# Altium PCB flexi_ethernet_w5500_solo.pcbdoc (part 7 of 7)
Units mm, origin at the board's own origin, x right, y up, seen from the top; angles counter-clockwise.
Board outline 85 x 20.49 mm, 4 copper layers (Top Layer, GND, PWR, Bottom Layer), stack 1.541 mm thick; 61 components, 41 nets, 7605 pads, 85 vias.
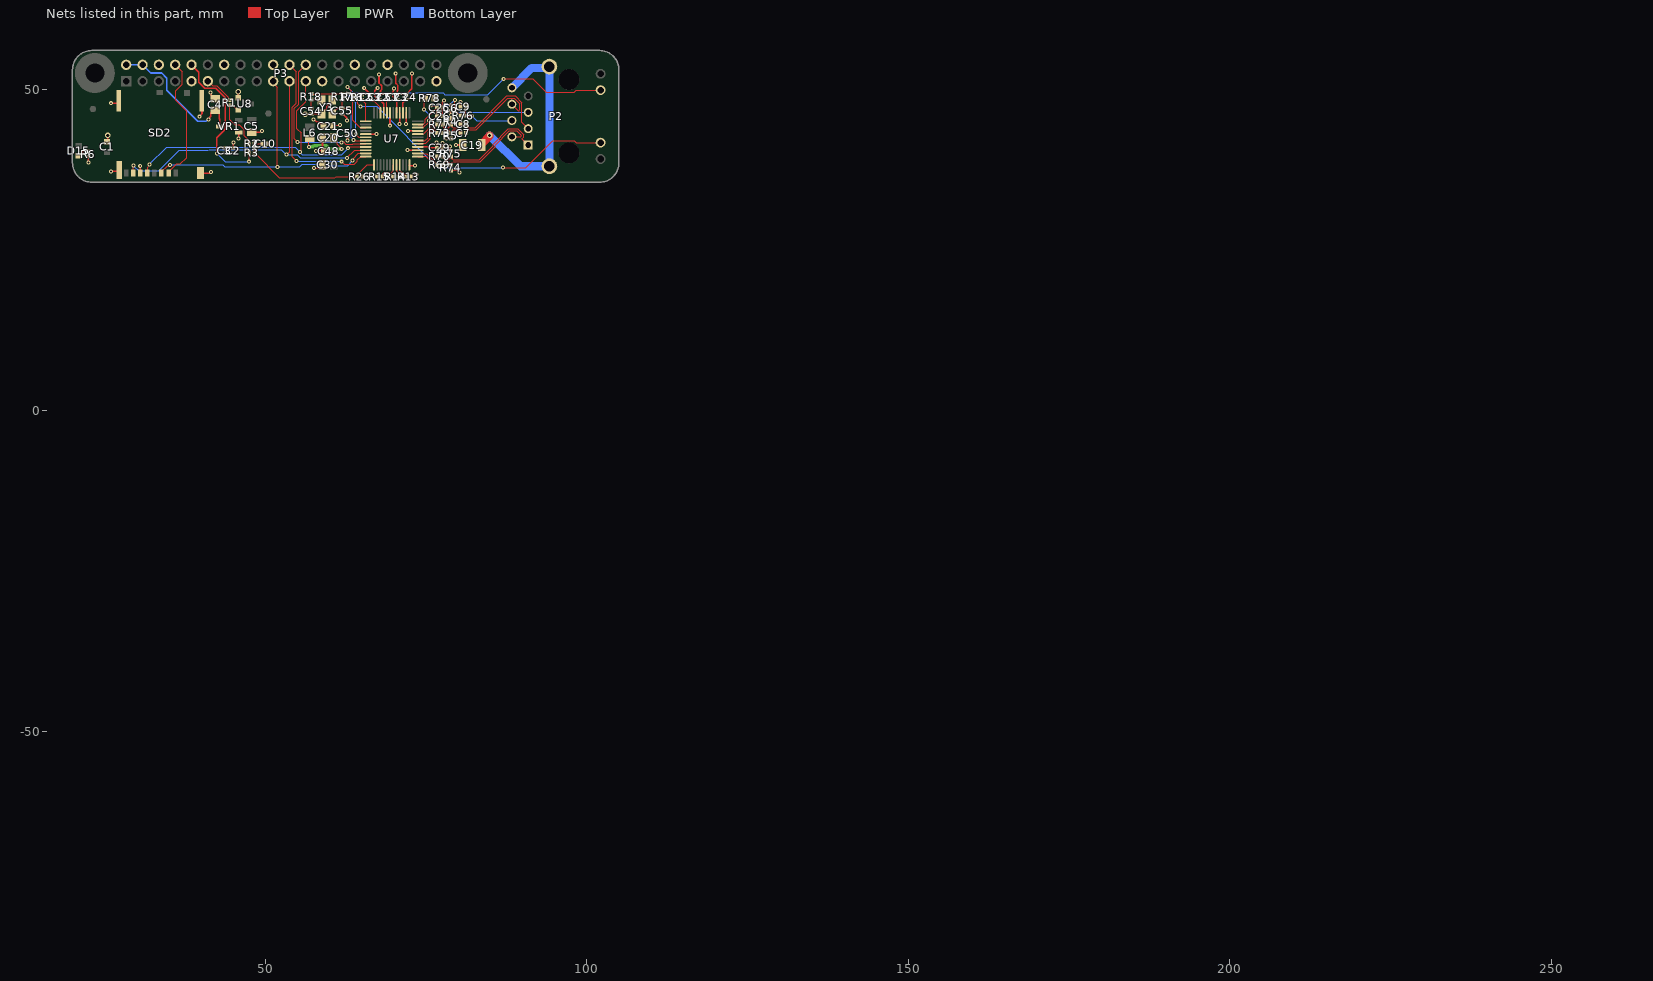
[diagram p9: the nets of this part, all layers, seen from the top]

## Via types
v1: diameter 0.625, hole 0.3, Top Layer to Bottom Layer, tented both sides, 79 vias
v2: diameter 0.85, hole 0.5, Top Layer to Bottom Layer, tented both sides, 5 vias
v3: diameter 0.625, hole 0.3, Top Layer to Bottom Layer, 1 vias

## Nets (pads, with @x,y where several pads share a name; then routed paths per layer and width w, separated by ;. In a path a pad name is that pad's centre, name@x,y a point inside that pad or via, vN(x,y) a via of type N, cw(c..) or ccw(c..) an arc to the next point about the centre after c; other vN are vias at no path point) (continued)
+3.3V_A: C20.2 C21.2 C22.2 C23.2 C24.2 C25.2 C26.2 C29.2 L6.2 R13.1 R14.1 R15.1 R26.1 R74.1 R75.1 R76.1 U7.4 U7.8 U7.11 U7.15 U7.17 U7.21 | length 51
  Top Layer w0.152: v1(56.8,41) 56.8,42.21 L6.2@56.9,42.31 ; C21.2@60.57,44.2 60.77,44.4 v1(61.6,44.4) ; C20.2@60.69,42.425 61.194,41.921 61.194,41.406 v1(61.9,40.7) ; R26.1@65.125,36.4 65.225,36.5 67.275,36.5 R15.1@67.375,36.4 ; v1(69.2,36.4) R14.1@69.85,36.4 ; R13.1@72.75,36.4 73.192,36.4 73.492,36.7 v1(73.5,36.7) ; U7.8@73.725,43 74.52,43 74.6,43.081 74.659,43.081 76.092,44.514 76.092,45.16 76.711,45.779 C25.2@76.711,47.1 ; U7.11@73.8,44.419 74.497,44.419 74.908,44.83 74.908,45.345 75.674,46.111 75.721,46.111 C25.2@76.711,47.1 ; v1(75.693,47.48) 75.821,47.48 75.927,47.374 76.487,47.374 76.711,47.15 C25.2@76.711,47.1 ; R74.1@78.875,37.35 79.785,37.35 80.135,37 v3(80.2,37) ; v1(79.492,48.319) 79.492,46.796 80.375,45.913 R76.1@80.375,45.888
  Top Layer w0.203: v1(67.5,50.2) 67.021,49.721 67.021,48.878 67.371,48.528 67.577,48.528 C22.2@67.775,48.33 67.8,48.33 68.425,47.705 U7.21@68.425,46.3 ; v1(70,50.1) 69.919,50.019 69.919,49.613 69.8,49.494 69.8,48.866 70.138,48.528 70.343,48.528 C23.2@70.542,48.33 70.425,48.213 U7.17@70.425,46.3 ; U7.15@71.425,46.3 71.425,47.855 71.9,48.33 C24.2@71.925,48.33 72.123,48.528 72.514,48.528 72.786,48.8 v1(72.9,48.8) ; U7.4@73.725,41 75.432,41 75.59,40.842 C29.2@76.7,40.842 76.672,40.869 76.672,41.692 v1(76.645,41.719) ; v1(78.76,41.091) 78.76,40.465 R75.1@78.875,40.35
  PWR w0.508: v1(56.8,41) 56.822,41.022 57.434,41.022 57.581,41.17 59.49,41.17 59.96,40.7 v1(61.9,40.7)
  Bottom Layer w0.152: v1(75.693,47.48) 78.653,47.48 v1(79.492,48.319)
  other v1: 66.4,36.5
+5V: C4.2 P3.2 P3.4 VR1.3 | length 22.5
  Top Layer w0.203: v1(41.2,45.3) 41.2,45.414 41.567,45.781 41.567,46.232 42.045,46.71 42.355,46.71 42.833,46.232 42.833,45.373 42.925,45.282 VR1.3@42.925,44.2
  Bottom Layer w0.254: P3.2@28.379,53.77 P3.4@30.919,53.77 32.189,52.5 33.9,52.5 34.7,51.7 34.7,49.8 39.5,45 40.786,45 40.907,45.121 40.92,45.121 41.1,45.3 v1(41.2,45.3)
GND: C1.1 C2.1 C3.1 C4.1 C5.1 C6.1 C9.1 C10.1 C19.1 C20.1 C21.1 C22.1 C23.1 C24.1 C25.1 C26.1 C29.1 C30.1 C48.1 C50.1 C51.1 C53.1 C54.1 C55.1 P3.6 P3.9 P3.14 P3.20 P3.25 P3.30 P3.34 P3.39 R6.1 R78.1 SD2.6 SD2.11 SD2.12 SD2.13 SD2.14 U7.3 U7.9 U7.14 U7.16 U7.19 U7.29 U7.48 U8.1 VR1.1 Y3.2 Y3.4 | length 61.5
  Top Layer w0.254: v1(22.5,38.6) R6.1@22.5,39.475 ; C1.1@25.4,41.77 25.5,41.87 v2(25.5,42.8) ; v1(26,37.2) 27.06,37.2 SD2.11@27.28,37.42 ; v1(26,47.8) 26.977,47.8 27.2,48.023 SD2.12@27.2,48.2 ; SD2.6@30.56,36.92 v1(30.56,38.04) ; v1(39.8,45.7) 39.8,45.8 40.16,46.16 SD2.13@40.16,48.2 ; SD2.14@39.94,36.935 41.335,36.935 41.5,37.1 v1(41.6,37.1) ; v1(41.5,49.5) 41.5,49.4 41.592,49.308 41.592,48.943 42.045,48.49 C4.1@42.2,48.49 ; C2.1@45,40.865 45.05,40.915 45.05,41.65 v1(45.1,41.7) ; U8.1@45.8,48.65 v2(45.8,49.6) ; v1(45.875,42.325) VR1.1@45.875,43.25 ; C5.1@47.9,43.31 49.21,43.31 49.4,43.5 v1(49.5,43.5) ; v2(56.2,46.1) 56.225,46.125 57.175,46.125 C54.1@57.2,46.15 58.7,46.15 Y3.2@58.75,46.1 58.75,46.2 59.6,47.05 59.6,47.35 60.45,48.2 Y3.4@60.45,48.3 ; v1(57.5,45.3) 57.6,45.3 57.978,44.922 58.333,44.922 59.03,44.225 C21.1@59.03,44.2 ; v1(57.6,37.7) 58.407,37.7 58.86,38.153 C30.1@58.86,38.225 ; v1(57.9,40.4) 59.055,40.4 C48.1@59.105,40.35 58.91,40.545 C20.1@58.91,42.425 ; C55.1@62,46.175 62.025,46.175 62.665,45.535 62.665,45.197 v1(62.736,45.126) ; v1(62.8,42) C50.1@62.8,42.675 ; v1(65.4,50.2) 65.4,50.147 66.367,49.18 C53.1@66.392,49.18 ; U7.29@65.625,43 v1(67.3,43) ; v1(67.7,52.3) 67.7,50.951 68.143,50.509 68.143,49.934 67.936,49.727 67.936,49.341 C22.1@67.775,49.18 C51.1@69.158,49.18 ; v1(69.4,44.3) 69.42,44.32 69.42,46.295 U7.19@69.425,46.3 ; v1(70.3,52.4) 70.3,50.891 70.643,50.549 70.643,49.834 70.542,49.733 C23.1@70.542,49.18 ; C23.1@70.567,49.18 C24.1@71.925,49.18 71.95,49.18 72.123,49.353 72.123,49.378 72.8,50.055 v1(72.8,52.4) ; v1(70.9,44.6) 70.92,44.62 70.92,46.295 U7.16@70.925,46.3 ; v1(71.9,44.6) 71.92,44.62 71.92,46.295 U7.14@71.925,46.3 ; v1(72.1,40.5) U7.3@73.725,40.5 ; v1(72.2,43.5) U7.9@73.725,43.5 ; U7.48@72.425,38.2 72.425,38.112 72.437,38.1 v1(73.3,38.1) ; C29.1@77.55,40.842 77.575,40.867 77.575,41.575 v1(77.6,41.6) ; C26.1@77.561,45.804 77.561,47.86 77.8,48.1 v1(77.8,48.2) ; v1(79.7,41.3) C19.1@80.71,41.3 ; C9.1@80.375,47.25 80.387,47.262 80.387,47.988 v1(80.4,48)
GRN_LED: R12.1 U7.25 | length 3.6
  Top Layer w0.152: R12.1@65.008,48.33 65.033,48.33 65.625,47.738 U7.25@65.625,45
NetC6_2: C6.2 P2.5 R4.1 R5.1 | length 18.1
  Top Layer w0.152: v1(78.22,42.336) 78.852,42.336 R5.1@78.875,42.313 ; R4.1@78.875,45.333 C6.2@78.875,46.625
  Bottom Layer w0.152: v1(78.22,42.336) 78.22,45.291 79.309,46.38 P2.5@90.911,46.38
  other v1: 78.875,45.946
NetC9_2: C9.2 P2.4 R76.2 | length 8.8
  Top Layer w0.152: C9.2@81.225,47.25 R76.2@81.225,45.888 81.324,45.788 v1(82.2,45.788)
  Bottom Layer w0.152: v1(82.2,45.788) 82.878,45.11 P2.4@88.371,45.11
NetC19_2: C19.2 P2.8 P2.15 P2.16 | length 35.7
  Top Layer w1.27: C19.2@83.76,41.565 84.9,42.705 v2(84.9,42.8)
  Bottom Layer w1.27: v2(84.9,42.8) 89.695,38.005 P2.15@94.211,38.005 P2.16@94.211,53.495 93.986,53.27 91.451,53.27 P2.8@88.371,50.19
NetC51_2: C51.2 U7.20 | length 2.1
  Top Layer w0.152: U7.20@68.925,46.3 68.925,48.106 69.149,48.33 C51.2@69.158,48.33
NetC53_2: C53.2 U7.22 | length 2.9
  Top Layer w0.152: C53.2@66.392,48.33 66.615,48.106 66.972,48.106 67.901,47.177 67.901,46.324 U7.22@67.925,46.3
NetC54_2: C54.2 R18.2 Y3.1 | length 3
  Top Layer w0.152: C54.2@57.2,47 R18.2@57.2,48.375 58.675,48.375 Y3.1@58.75,48.3
NetD15_K: D15.K R6.2 | length 1.8
  Top Layer w0.254: D15.K@21,39.63 21.025,39.63 21.72,40.325 R6.2@22.5,40.325
NetP2_10: P2.10 R12.2 | length 45.6
  Top Layer w0.152: v1(64.8,47.3) 64.404,47.696 64.404,48.746 64.615,48.956 64.785,48.956 R12.2@65.008,49.18 ; v1(87,37.8) 90.51,37.8 94.7,41.99 98.081,41.99 98.407,41.665 P2.10@102.161,41.665
  Bottom Layer w0.152: v1(64.8,47.3) 67.363,47.3 76.863,37.8 v1(87,37.8)
NetP2_11: P2.11 R16.2 | length 43.4
  Top Layer w0.152: v1(62.8,50.3) 63.376,49.724 63.376,49.404 63.6,49.18 R16.2@63.625,49.18 ; v1(87.1,51.6) 91.604,51.6 93.694,49.51 98.071,49.51 98.396,49.835 P2.11@102.161,49.835
  Bottom Layer w0.152: v1(62.8,50.3) 63.708,49.392 77.673,49.392 77.944,49.121 84.621,49.121 v1(87.1,51.6)
NetP3_10: P3.10 R3.2 | length 24.4
  Top Layer w0.152: v1(47.5,38.7) R3.2@47.5,40.1
  Top Layer w0.203: P3.10@38.539,53.77 39.699,52.61 39.699,51.048 40.592,50.155 40.636,50.155 40.674,50.117 42.319,50.117 43.805,48.631 43.805,43.749 42.5,42.444 v1(42.5,40)
  Bottom Layer w0.152: v1(42.5,40) 43.8,38.7 v1(47.5,38.7)
NetP3_11: P3.11 R1.1 | length 4.7
  Top Layer w0.152: P3.11@41.079,51.23 41.811,50.498 42.476,50.498 44.251,48.723 44.251,48.549 44.475,48.325 R1.1@44.5,48.325
NetR13_2: R13.2 U7.45 | length 2.2
  Top Layer w0.152: U7.45@70.925,38.2 70.925,37.405 71.006,37.325 71.006,37.266 71.315,36.958 71.367,36.958 71.9,36.425 R13.2@71.9,36.4
NetR14_2: R14.2 U7.44 | length 1.9
  Top Layer w0.152: U7.44@70.425,38.2 70.449,38.176 70.449,37.204 70.7,36.954 R14.2@70.7,36.4
NetR15_2: R15.2 U7.43 | length 3.2
  Top Layer w0.152: R15.2@68.125,36.4 68.264,36.539 68.264,36.864 68.421,37.021 69.599,37.021 69.901,37.323 69.901,38.176 U7.43@69.925,38.2
NetR78_2: R78.2 U7.10 | length 6.2
  Top Layer w0.152: U7.10@73.725,44 73.749,44.024 74.605,44.024 75.41,44.829 75.41,45.01 v1(75.5,45.1) ; v1(74.7,46.8) 74.7,48.421 R78.2@74.829,48.55
  Bottom Layer w0.152: v1(74.7,46.8) 75.5,46 v1(75.5,45.1)
RX_C_N: C7.1 P2.6 | length 13.7
  Top Layer w0.152: C7.1@81.225,43.162 81.449,43.386 81.449,43.577 81.538,43.666 82.824,43.666 87.735,48.578 88.755,48.578 89.577,47.756 89.577,46.749 89.488,46.659 89.361,46.659 P2.6@88.371,47.65
RX_C_P: C8.1 P2.3 | length 16
  Top Layer w0.152: C8.1@81.225,44.525 81.449,44.301 81.449,44.111 81.538,44.022 82.677,44.022 87.588,48.933 88.902,48.933 89.932,47.903 89.932,46.601 89.891,46.56 89.891,44.859 P2.3@90.911,43.84
RX_N: C7.2 R5.2 R73.1 | length 4
  Top Layer w0.152: R73.1@77.561,43.162 77.784,43.386 77.784,43.556 77.874,43.645 78.537,43.645 78.626,43.556 78.626,43.386 78.85,43.162 78.9,43.162 79.124,43.386 79.124,43.556 79.213,43.645 79.597,43.645 79.617,43.666 80.062,43.666 80.151,43.577 80.151,43.386 C7.2@80.375,43.162
RX_P: C8.2 R4.2 R77.1 | length 4
  Top Layer w0.152: R77.1@77.561,44.483 77.784,44.26 77.784,44.09 77.874,44.001 78.537,44.001 78.626,44.09 78.626,44.26 78.85,44.483 78.9,44.483 79.124,44.26 79.124,44.09 79.213,44.001 79.449,44.001 79.47,44.022 80.062,44.022 80.151,44.111 80.151,44.301 C8.2@80.375,44.525
RX_R_N: R73.2 U7.5 | length 4.7
  Top Layer w0.152: U7.5@73.725,41.5 74.52,41.5 74.592,41.572 75.001,41.572 75.697,42.269 75.697,43.114 76.229,43.645 76.398,43.645 76.487,43.556 76.487,43.386 R73.2@76.711,43.162
RX_R_P: R77.2 U7.6 | length 4.7
  Top Layer w0.152: U7.6@73.725,42 74.52,42 74.592,41.928 74.854,41.928 75.342,42.416 75.342,43.261 76.081,44.001 76.398,44.001 76.487,44.09 76.487,44.26 R77.2@76.711,44.483
SD_CSn: P3.8 SD2.2 | length 19.9
  Top Layer w0.152: SD2.2@34.96,36.92 34.96,37.12 36.214,38.374 36.799,38.374 37.779,39.354 37.779,46.536 36.071,48.245 36.071,49.768 37.078,50.776 37.078,52.691 P3.8@35.999,53.77
SPI_CLK: P3.23 SD2.5 U7.33 | length 49.2
  Top Layer w0.152: SD2.5@31.66,36.92 31.7,36.96 31.7,37.872 32,38.172 v1(32,38.3) ; v1(55.4,40.2) 55.4,40.328 55.592,40.52 55.592,43.172 54.908,43.855 54.908,46.641 56.319,48.052 P3.23@56.319,51.23 ; v1(62.9,40.8) 63.028,40.8 63.228,41 U7.33@65.625,41
  Bottom Layer w0.152: v1(32,38.3) 34.647,40.947 54.653,40.947 55.792,39.808 61.908,39.808 v1(62.9,40.8)
SPI_CSn: P3.24 U7.32 | length 23.5
  Top Layer w0.152: v1(55,41.8) 54.553,42.247 54.553,46.993 55.214,47.655 55.214,52.665 P3.24@56.319,53.77 ; v1@62.116,41.848 62.555,41.408 63.635,41.408 63.726,41.5 U7.32@65.625,41.5
  Bottom Layer w0.152: v1(55,41.8) 55.053,41.747 61.834,41.747 v1(61.887,41.694)
SPI_PICO: P3.19 SD2.3 U7.35 | length 47.3
  Top Layer w0.152: SD2.3@33.86,36.92 33.86,37.12 34.85,38.11 35.11,38.11 v1(35.2,38.2) ; P3.19@51.239,51.23 51.239,50.916 51.9,50.255 v1(51.9,37.9) ; v1(63.6,38.9) 63.69,38.99 63.69,39.194 64.496,40 U7.35@65.625,40
  Bottom Layer w0.152: v1(35.2,38.2) 43.4,38.2 43.7,37.9 55.396,37.9 55.788,38.292 59.142,38.292 59.326,38.108 62.808,38.108 v1(63.6,38.9)
SPI_POCI: P3.21 SD2.7 U7.34 | length 51.5
  Top Layer w0.152: SD2.7@29.46,36.92 29.5,36.96 v1(29.5,38.1) ; v1(53.3,39.8) 53.779,40.279 P3.21@53.779,51.23 ; v1(62.7,39.3) 63.9,40.5 U7.34@65.625,40.5
  Bottom Layer w0.152: v1(29.5,38.1) 30.298,37.302 33.465,37.302 36.663,40.5 41.172,40.5 ; 41.264,40.592 52.508,40.592 v1(53.3,39.8) 54.963,39.8 55.463,39.3 v1(62.7,39.3)
STM_RESET: R1.2 R2.1 U8.2 | length 9.2
  Top Layer w0.152: U8.2@45.8,46.75 45.75,46.75 45.211,47.289 45.211,47.318 45.054,47.475 R1.2@44.5,47.475 44.5,45.23 45.27,44.46 45.96,44.46 46.73,43.69 46.73,42.77 47.5,42 R2.1@47.5,41.5
TX_N: P2.2 R69.1 R74.2 | length 17.3
  Top Layer w0.152: R69.1@77.55,38.2 77.774,38.424 77.774,38.593 77.863,38.683 78.225,38.683 78.236,38.672 78.537,38.672 78.626,38.583 78.626,38.424 78.85,38.2 78.9,38.2 79.124,38.424 79.124,38.583 79.213,38.672 83.425,38.672 85.788,41.036 85.788,41.299 87.986,43.498 89.138,43.498 89.85,42.786 89.85,42.659 89.761,42.57 P2.2@88.371,42.57
TX_P: P2.1 R70.1 R75.2 | length 18.2
  Top Layer w0.152: R70.1@77.55,39.521 77.774,39.297 77.774,39.127 77.863,39.038 78.373,39.038 78.383,39.028 78.537,39.028 78.626,39.117 78.626,39.276 78.85,39.5 78.9,39.5 79.124,39.276 79.124,39.117 79.213,39.028 83.278,39.028 85.433,41.183 85.433,41.447 87.839,43.853 89.286,43.853 90.206,42.933 90.206,42.512 90.015,42.321 90.015,42.195 P2.1@90.911,41.3
TX_R_N: R69.2 U7.1 | length 3.7
  Top Layer w0.152: U7.1@73.725,39.5 74.52,39.5 74.592,39.572 75.006,39.572 75.895,38.683 76.387,38.683 76.476,38.593 76.476,38.424 R69.2@76.7,38.2
TX_R_P: R70.2 U7.2 | length 3.7
  Top Layer w0.152: U7.2@73.725,40 74.52,40 74.592,39.928 75.153,39.928 76.043,39.038 76.387,39.038 76.476,39.127 76.476,39.297 R70.2@76.7,39.521
W5500_INTn: P3.22 U7.36 | length 27.5
  Top Layer w0.152: P3.22@53.779,53.77 54.858,52.691 54.858,47.802 54.197,47.141 54.197,39.503 v1(54.9,38.8) ; v1(61.9,38.7) 62.292,38.308 63.845,38.308 64.334,38.797 64.334,38.969 64.823,39.458 65.583,39.458 U7.36@65.625,39.5
  Bottom Layer w0.152: v1(54.9,38.8) 54.95,38.75 61.85,38.75 v1(61.9,38.7)
W5500_RSTn: C10.2 R2.2 R3.1 R26.2 U7.37 | length 23.6
  Top Layer w0.152: R2.2@48.35,41.5 C10.2@49.475,41.5 ; R3.1@48.444,40.1 48.444,39.981 52.217,36.208 60.845,36.208 61.037,36.4 R26.2@64.275,36.4 64.499,36.624 64.499,36.794 65.905,38.2 U7.37@66.925,38.2
  Top Layer w0.203: R3.1@48.35,40.1 R2.2@48.35,41.5
XI: R17.1 R18.1 U7.30 | length 14.2
  Top Layer w0.152: R18.1@57.2,49.225 57.98,49.225 58.034,49.279 61.971,49.279 R17.1@62,49.25 62.05,49.3 v1(62.683,49.3) ; v1(64.1,43) 64.576,42.524 65.601,42.524 U7.30@65.625,42.5
  Bottom Layer w0.152: v1(62.683,49.3) 64.1,47.883 v1(64.1,43)
XO: C55.2 R17.2 U7.31 Y3.3 | length 11.5
  Top Layer w0.152: Y3.3@60.45,46.1 60.45,46.2 61.275,47.025 C55.2@62,47.025 ; R17.2@62,48.4 C55.2@62,47.025 ; v1(63.025,47.025) C55.2@62,47.025 ; v1(63.757,42.101) 63.885,42.101 63.986,42 U7.31@65.625,42
  Bottom Layer w0.152: v1(63.025,47.025) 63.025,46.992 63.391,46.626 63.391,42.5 63.757,42.134 v1(63.757,42.101)
YEL_LED: R16.1 U7.27 | length 5.7
  Top Layer w0.152: R16.1@63.625,48.33 63.625,45.147 64.691,44.081 64.75,44.081 64.83,44 U7.27@65.625,44
pads on no net: FID1.1 FID2.1 FID3.1 Logo1.1 P2. P2.7 P3.1 P3.3 P3.5 P3.7 P3.12 P3.13 P3.15 P3.16 P3.17 P3.18 P3.26 P3.27 P3.28 P3.29 P3.31 P3.32 P3.33 P3.35 P3.36 P3.37 P3.38 P3.40 SD2.1 SD2.8 SD2.9 SD2.10 U7.7 U7.12 U7.13 U7.18 U7.23 U7.24 U7.26 U7.38 U7.39 U7.40 U7.41 U7.42 U7.46 U7.47

## Polygon pours and split planes (outlines as drawn)
+3.3V on PWR "+3.3V_L03_P004" (solid, remove dead copper, pour order 4): 20.021,55.7 20.021,35.515 105.021,35.515 105.021,55.7
+3.3V_A on PWR "+3.3V_A_L03_P003" (solid, remove dead copper, pour order 3): 60.1,50.7 73.5,50.7 80.6,43.6 80.6,34.9 72.9,34.9 65.8,34.9 60.1,40.6
GND on Top Layer "GND_L01_P009" (solid, remove dead copper, pour order 9): 20.021,3.004 ccw(c23.021,3.004) 23.021,0.004 102.021,0.004 ccw(c102.021,3.004) 105.021,3.004 105.021,53.004 ccw(c102.021,53.004) 102.021,56.004 23.021,56.004 ccw(c23.021,53.004) 20.021,53.004
GND on GND "GND_L02_P012" (solid, remove dead copper, pour order 12): 20.021,3.004 ccw(c23.021,3.004) 23.021,0.004 102.021,0.004 ccw(c102.021,3.004) 105.021,3.004 105.021,53.004 ccw(c102.021,53.004) 102.021,56.004 23.021,56.004 ccw(c23.021,53.004) 20.021,53.004
GND on Bottom Layer "GND_L04_P013" (solid, remove dead copper, pour order 13): 20.021,3.004 ccw(c23.021,3.004) 23.021,0.004 102.021,0.004 ccw(c102.021,3.004) 105.021,3.004 105.021,53.004 ccw(c102.021,53.004) 102.021,56.004 23.021,56.004 ccw(c23.021,53.004) 20.021,53.004

## Other copper
Top Layer:
  pour cut-out: 66.7,45.3 72.7,45.3 72.7,39.4 66.7,39.4
  text "TOP LAYER" at 51.885,112.7 h3.05
GND:
  text "L2 GROUND" at 50.702,113.01 h3.05
PWR:
  text "L3 POWER" at 50.25,112.75 h3.05
Bottom Layer:
  text "BOTTOM LAYER" at 49.802,112.624 h3.05

## Silkscreen, mask and mechanical layers (free items; w line width, h text height)
Top Overlay:
  text "TOP SILKSCREEN" at 47.82,112.827 h1.4
Bottom Overlay:
  drawing of 684 lines, arcs and shapes, not listed
  text "BOTTOM SILKSCREEN" at 48.253,112.852 h1.14
  text "Ethernet SD Extender" at 34.8,47.316 h1.52
  text "PCB Rev '.VarRevNo'" at 34.6,45.817 h1.52
  text "Expatria" at 63.5,43.7 h2.54
  text "Technologies" at 57.141,39.761 h1.52
  text "Licensed under CERN-OHL-S v2" at 86.9,39.713 h1.27
Top Paste:
  text "TOP PASTE" at 49.852,112.329 h3.05
Bottom Paste:
  text "BOTTOM PASTE" at 49.852,112.437 h3.05
Top Solder:
  text "TOP SOLDERMASK" at 47.82,112.798 h3.05
Bottom Solder:
  region: 103.31,45.952 103.909,45.922 103.909,46.044 103.321,46.014 cw(c103.321,46.082) 103.254,46.07 cw(c103.407,46.076) 103.254,46.089 103.357,46.675 103.139,46.596 cw(c103.116,46.677) 103.123,46.593 cw(c103.123,46.638) 103.089,46.61 102.569,47.251 102.502,47.107 cw(c102.462,47.126) 102.462,47.082 cw(c102.462,47.126) 102.448,47.084 102.058,47.211 102.136,46.841 cw(c102.085,46.836) 102.11,46.791 101.942,46.72 102.251,46.431 cw(c102.221,46.399) 102.265,46.399 cw(c102.22,46.4) 102.226,46.355 cw(c102.231,46.701) 102.213,46.355 101.495,46.494 101.624,46.271 cw(c101.586,46.249) 101.63,46.249 cw(c101.586,46.249) 101.606,46.209 101.161,45.983 101.606,45.757 cw(c101.586,45.717) 101.63,45.717 cw(c101.586,45.717) 101.624,45.694 101.495,45.471 102.213,45.611 cw(c102.216,45.56) 102.265,45.573 cw(c102.214,45.569) 102.251,45.535 101.942,45.246 102.11,45.175 cw(c102.093,45.134) 102.137,45.134 102.058,44.755 102.448,44.882 cw(c102.462,44.84) 102.462,44.884 cw(c102.462,44.84) 102.502,44.859 102.569,44.714 103.089,45.356 cw(c103.123,45.328) 103.123,45.373 cw(c103.123,45.328) 103.139,45.37 103.357,45.291 103.254,45.877 cw(c103.534,45.9) 103.253,45.891 cw(c103.318,45.888)
  text "BOTTOM SOLDERMASK" at 47.96,112.691 h3.05
Mechanical 6:
  the board outline again, w0.127
  text "BOARD OUTLINE" at 48.193,109.974 h3.05
Mechanical 7:
  drawing of 1329 lines, arcs and shapes, not listed
  text "1" at 5.114,170.946 h3.05
  text "2" at 76.886,170.946 h3.05
  text "3" at 148.641,170.946 h3.05
  text "4" at 220.802,170.946 h3.05
  text "5" at 292.786,170.946 h3.05
  text "6" at 364.795,170.946 h3.05
  text "A" at -28.575,139.374 h3.05
  text "A" at 398.334,137.902 h3.05
  text "B" at -28.575,69.931 h3.05
  text "B" at 398.439,69.208 h3.05
  text "C" at -28.575,-0.707 h3.05
  text "ENGINEER:" at 283.21,-72.005 h3.05
  text "TITLE:" at 321.31,-72.005 h3.05
  text "D" at -28.575,-72.386 h3.05
  text "D" at 398.145,-72.386 h3.05
  text "Andrew Marles" at 284.963,-75.358 h3.05
  text "Expatria" at 240.826,-76.804 h2.54
  text "PCB DESIGNER:" at 283.21,-79.498 h3.05
  text ".Title" at 324.903,-79.574 h5.08
  text "Technologies" at 246.326,-80.804 h1.52
  text "Copyright Expatria Technologies 2022. This document" at 125.431,-81.873 h3.05
  text "Andrew Marles" at 284.669,-82.557 h3.05
  text "describes Open Hardware and is licensed under the" at 125.431,-84.413 h3.05
  text "CERN-OHL-S v2. No warranty is implied or expressed." at 125.431,-86.953 h3.05
  text "DATE:" at 283.21,-87.245 h3.05
  text "PART NO.:" at 321.31,-87.245 h3.05
  text "REV:" at 374.65,-87.245 h3.05
  text ".PRINT_DATE" at 284.48,-90.293 h3.05
  text "'.VarRevNo'" at 381.691,-90.305 h3.05
  text "'.PCBPARTNO'_'.PCBREVNO'" at 332.796,-90.356 h3.05
  text "Expatria Technologies Inc." at 232.92,-90.755 h3.05
  text "1136 Glade Court" at 233.107,-93.949 h3.05
  text "FILE NAME:" at 283.21,-94.865 h3.05
  text "DWG NO:" at 321.31,-94.865 h3.05
  text "SCALE:" at 374.65,-94.865 h3.05
  text "Port Coquitlam, BC, Canada V3B 1R5" at 232.853,-97.124 h3.05
  text ".Print_Scale" at 376.961,-97.71 h3.05
  text ".PCB_FILE_NAME_NO_PATH" at 284.48,-97.913 h3.05
  text "1" at 5.114,-103.374 h3.05
  text "2" at 76.886,-103.374 h3.05
  text "3" at 148.641,-103.374 h3.05
  text "4" at 220.802,-103.374 h3.05
  text "5" at 292.786,-103.374 h3.05
  text "6" at 364.795,-103.374 h3.05
Top Component Center:
  text "ASSEMBLY TOP" at 48.027,112.784 h3.05
Drill Drawing:
  drawing of 392 lines, arcs and shapes, not listed
  text "NOTES: UNLESS OTHERWISE SPECIFIED, ALL DIMENSIONS ARE IN INCHES." at 260.015,162.136 h2.54
  text "Layer" at 138.727,161.465 h1.52
  text "Name" at 149.138,161.465 h1.52
  text "Material" at 172.754,161.465 h1.52
  text "Thickness" at 194.592,161.465 h1.52
  text "Constant" at 211.098,161.465 h1.52
  text "Board Layer Stack" at 225.572,161.465 h1.52
  text "Top Overlay" at 149.138,158.417 h1.52
  text "1. MATERIAL: EPOXY GLASS FR-4 UL94V-0 HIGHEST IN STOCK AVAILABLE Tg." at 260.015,155.786 h2.54
  text "Top Solder" at 149.138,155.369 h1.52
  text "Solder Resist" at 172.754,155.369 h1.52
  text "0.40mil" at 194.592,155.369 h1.52
  text "3.5" at 211.098,155.369 h1.52
  text "FABRICATE PCB IN ACCORDANCE WITH IPC-6012, CLASS2; PER IPC-6011." at 263.825,153.246 h2.54
  text "1" at 138.727,152.321 h1.52
  text "Top Layer" at 149.138,152.321 h1.52
  text "1.40mil" at 194.592,152.321 h1.52
  text "Dielectric 3" at 149.138,149.273 h1.52
  text "PP-006" at 172.754,149.273 h1.52
  text "7.87mil" at 194.592,149.273 h1.52
  text "4.5" at 211.098,149.273 h1.52
  text "2. HOLE LOCATION TOLERANCE +/- .003 DIAMETER OF TRUE POSITION." at 260.015,148.166 h2.54
  text "2" at 138.727,146.225 h1.52
  text "GND" at 149.138,146.225 h1.52
  text "CF-004" at 172.754,146.225 h1.52
  text "1.38mil" at 194.592,146.225 h1.52
  text "ARTWORK REGISTRATION FRONT TO BACK +/- .003" at 263.825,145.626 h2.54
  text "Dielectric1" at 149.138,143.177 h1.52
  text "FR-4" at 172.754,143.177 h1.52
  text "39.37mil" at 194.592,143.177 h1.52
  text "4.8" at 211.098,143.177 h1.52
  text "3. ALL PLATED THROUGH HOLES TO HAVE A MINIMUM PLATING OF .0007 COPPER." at 260.015,141.816 h2.54
  text "3" at 138.727,140.129 h1.52
  text "PWR" at 149.138,140.129 h1.52
  text "CF-004" at 172.754,140.129 h1.52
  text "1.38mil" at 194.592,140.129 h1.52
  text "ANNULAR RING TO BE .001 MIN.  VIA HOLES MAY HAVE A .001 ANNULAR RING." at 263.825,139.276 h2.54
  text "Dielectric 4" at 149.138,137.081 h1.52
  text "PP-006" at 172.754,137.081 h1.52
  text "7.87mil" at 194.592,137.081 h1.52
  text "4.5" at 211.098,137.081 h1.52
  text "TEARDROPS MAY BE ADDED TO AVOID DRILL BREAKOUT." at 263.825,136.736 h2.54
  text "4" at 138.727,134.033 h1.52
  text "Bottom Layer" at 149.138,134.033 h1.52
  text "1.40mil" at 194.592,134.033 h1.52
  text "Bottom Solder" at 149.138,130.985 h1.52
  text "Solder Resist" at 172.754,130.985 h1.52
  text "0.40mil" at 194.592,130.985 h1.52
  text "3.5" at 211.098,130.985 h1.52
  text "4. LPI (LIQUID PHOTO IMAGABLE) SOLDERMASK PER IPC-SM-840, TYPE B, CLASS H" at 260.233,130.09 h2.54
  text "Bottom Overlay" at 149.138,127.937 h1.52
  text "BOTH SIDES, COLOR: ORANGE WITH MAXIMUM MISREGISTRATION" at 264.043,127.55 h2.54
  text "TO BE .003 OVER BARE COPPER.  ALL EXPOSED COPPER AREAS, BOTH SIDES" at 264.043,125.01 h2.54
  text "Total board thickness:" at 138.727,124.889 h1.52
  text "61.47mil" at 194.592,124.889 h1.52
  text "TO BE PLATED 2-6 MICROINCHES ELECTROLESS GOLD OVER 120 MICROINCHES" at 264.043,122.47 h2.54
  text "ELECTROLESS NICKEL.  MANUFACTURER MAY MODIFY SOLDERMASK TO REMOVE" at 264.043,119.93 h2.54
  text "ANY SLIVERS THAT ARE .004 OR LESS BETWEEN FINE PITCHED LANDS." at 264.043,117.39 h2.54
  text "5. SILKSCREEN BOTH SIDES USING WHITE EPOXY INK.  MANUFACTURER MUST MODIFY" at 260.487,113.072 h2.54
  text "DRILL DRAWING" at 47.75,112.625 h3.05
  text "SLIKSCREEN IMAGE TO REMOVE ANY WHITE EPOXY INK FROM EXPOSED METAL." at 264.297,110.532 h2.54
  text "6. IF REQUIRED, MAXIMUM RADIUS ON ALL INSIDE CORNERS TO BE .025" at 260.095,106.778 h2.54
  text "7. MANUFACTURER TO MARK BOARD WITH COPPER OR WHITE EPOXY INK, IN AN" at 260.095,103.703 h2.54
  text "OPEN AREA ON BOTTOM SIDE, DESIGNATED WITH A DATE CODE INDICATING" at 264.297,101.107 h2.54
  text "YEAR AND WEEK OF FABRICATION, 4 DIGIT FORMAT" at 263.905,98.623 h2.54
  text "8. FINISHED BOARD TO COMPLY WITH PHYSICAL AND ENVIRONMENTAL REQUIREMENTS" at 260.095,94.813 h2.54
  text "OF IPC-A-600. BOW AND TWIST PER 10-3, CLASS 2, MULTI AND UL796" at 263.905,92.273 h2.54
  text "9. REFERENCE ONLY: APPROXIMATE MINIMUM LINE IS .004 AND SPACE IS .004" at 259.115,88.128 h2.54
  text "10. UNLESS OTHERWISE SPECIFIED, BOARD SHALL BE .062 NOMINAL THICKNESS" at 259.115,84.318 h2.54
  text "Symbol" at 228.467,-26.924 h1.83
  text "Count" at 241.317,-26.924 h1.83
  text "Hole Size" at 256.299,-26.924 h1.83
  text "Plated" at 285.5,-26.924 h1.83
  text "Hole Type" at 298.349,-26.924 h1.83
  text "Drill Layer Pair" at 316.988,-26.924 h1.83
  text "Pad Shape" at 355.076,-26.924 h1.83
  text "80" at 241.317,-30.734 h1.52
  text "11.81mil (0.300mm)" at 256.299,-30.734 h1.52
  text "PTH" at 285.5,-30.734 h1.52
  text "Round" at 298.349,-30.734 h1.52
  text "Top Layer - Bottom Layer" at 316.988,-30.734 h1.52
  text "Rounded" at 355.076,-30.734 h1.52
  text "40" at 241.317,-34.544 h1.52
  text "39.37mil (1.000mm)" at 256.299,-34.544 h1.52
  text "PTH" at 285.5,-34.544 h1.52
  text "Round" at 298.349,-34.544 h1.52
  text "Top Layer - Bottom Layer" at 316.988,-34.544 h1.52
  text "(Mixed)" at 355.076,-34.544 h1.52
  text "8" at 241.317,-38.354 h1.52
  text "35.04mil (0.890mm)" at 256.299,-38.354 h1.52
  text "PTH" at 285.5,-38.354 h1.52
  text "Round" at 298.349,-38.354 h1.52
  text "Top Layer - Bottom Layer" at 316.988,-38.354 h1.52
  text "(Mixed)" at 355.076,-38.354 h1.52
  text "5" at 241.317,-42.164 h1.52
  text "19.69mil (0.500mm)" at 256.299,-42.164 h1.52
  text "PTH" at 285.5,-42.164 h1.52
  text "Round" at 298.349,-42.164 h1.52
  text "Top Layer - Bottom Layer" at 316.988,-42.164 h1.52
  text "Rounded" at 355.076,-42.164 h1.52
  text "4" at 241.317,-45.974 h1.52
  text "40.16mil (1.020mm)" at 256.299,-45.974 h1.52
  text "PTH" at 285.5,-45.974 h1.52
  text "Round" at 298.349,-45.974 h1.52
  text "Top Layer - Bottom Layer" at 316.988,-45.974 h1.52
  text "Rounded" at 355.076,-45.974 h1.52
  text "2" at 241.317,-49.784 h1.52
  text "64.17mil (1.630mm)" at 256.299,-49.784 h1.52
  text "PTH" at 285.5,-49.784 h1.52
  text "Round" at 298.349,-49.784 h1.52
  text "Top Layer - Bottom Layer" at 316.988,-49.784 h1.52
  text "Rounded" at 355.076,-49.784 h1.52
  text "2" at 241.317,-53.594 h1.52
  text "118.11mil (3.000mm)" at 256.299,-53.594 h1.52
  text "NPTH" at 285.5,-53.594 h1.52
  text "Round" at 298.349,-53.594 h1.52
  text "Top Layer - Bottom Layer" at 316.988,-53.594 h1.52
  text "Rounded" at 355.076,-53.594 h1.52
  text "2" at 241.317,-57.404 h1.52
  text "127.95mil (3.250mm)" at 256.299,-57.404 h1.52
  text "NPTH" at 285.5,-57.404 h1.52
  text "Round" at 298.349,-57.404 h1.52
  text "Top Layer - Bottom Layer" at 316.988,-57.404 h1.52
  text "Rounded" at 355.076,-57.404 h1.52
  text "143 Total" at 241.317,-61.214 h1.52
Mechanical 19:
  text "MFG Board Points" at 53.376,110.88 h1.52

## Dimensions
23.021,56.004 to 20.021,53.004 on Drill Drawing
102.021,56.004 to 23.021,56.004 on Drill Drawing